# Altium PCB BeagleBone_Black_RevB4.PcbDoc (part 3 of 5) (continued)
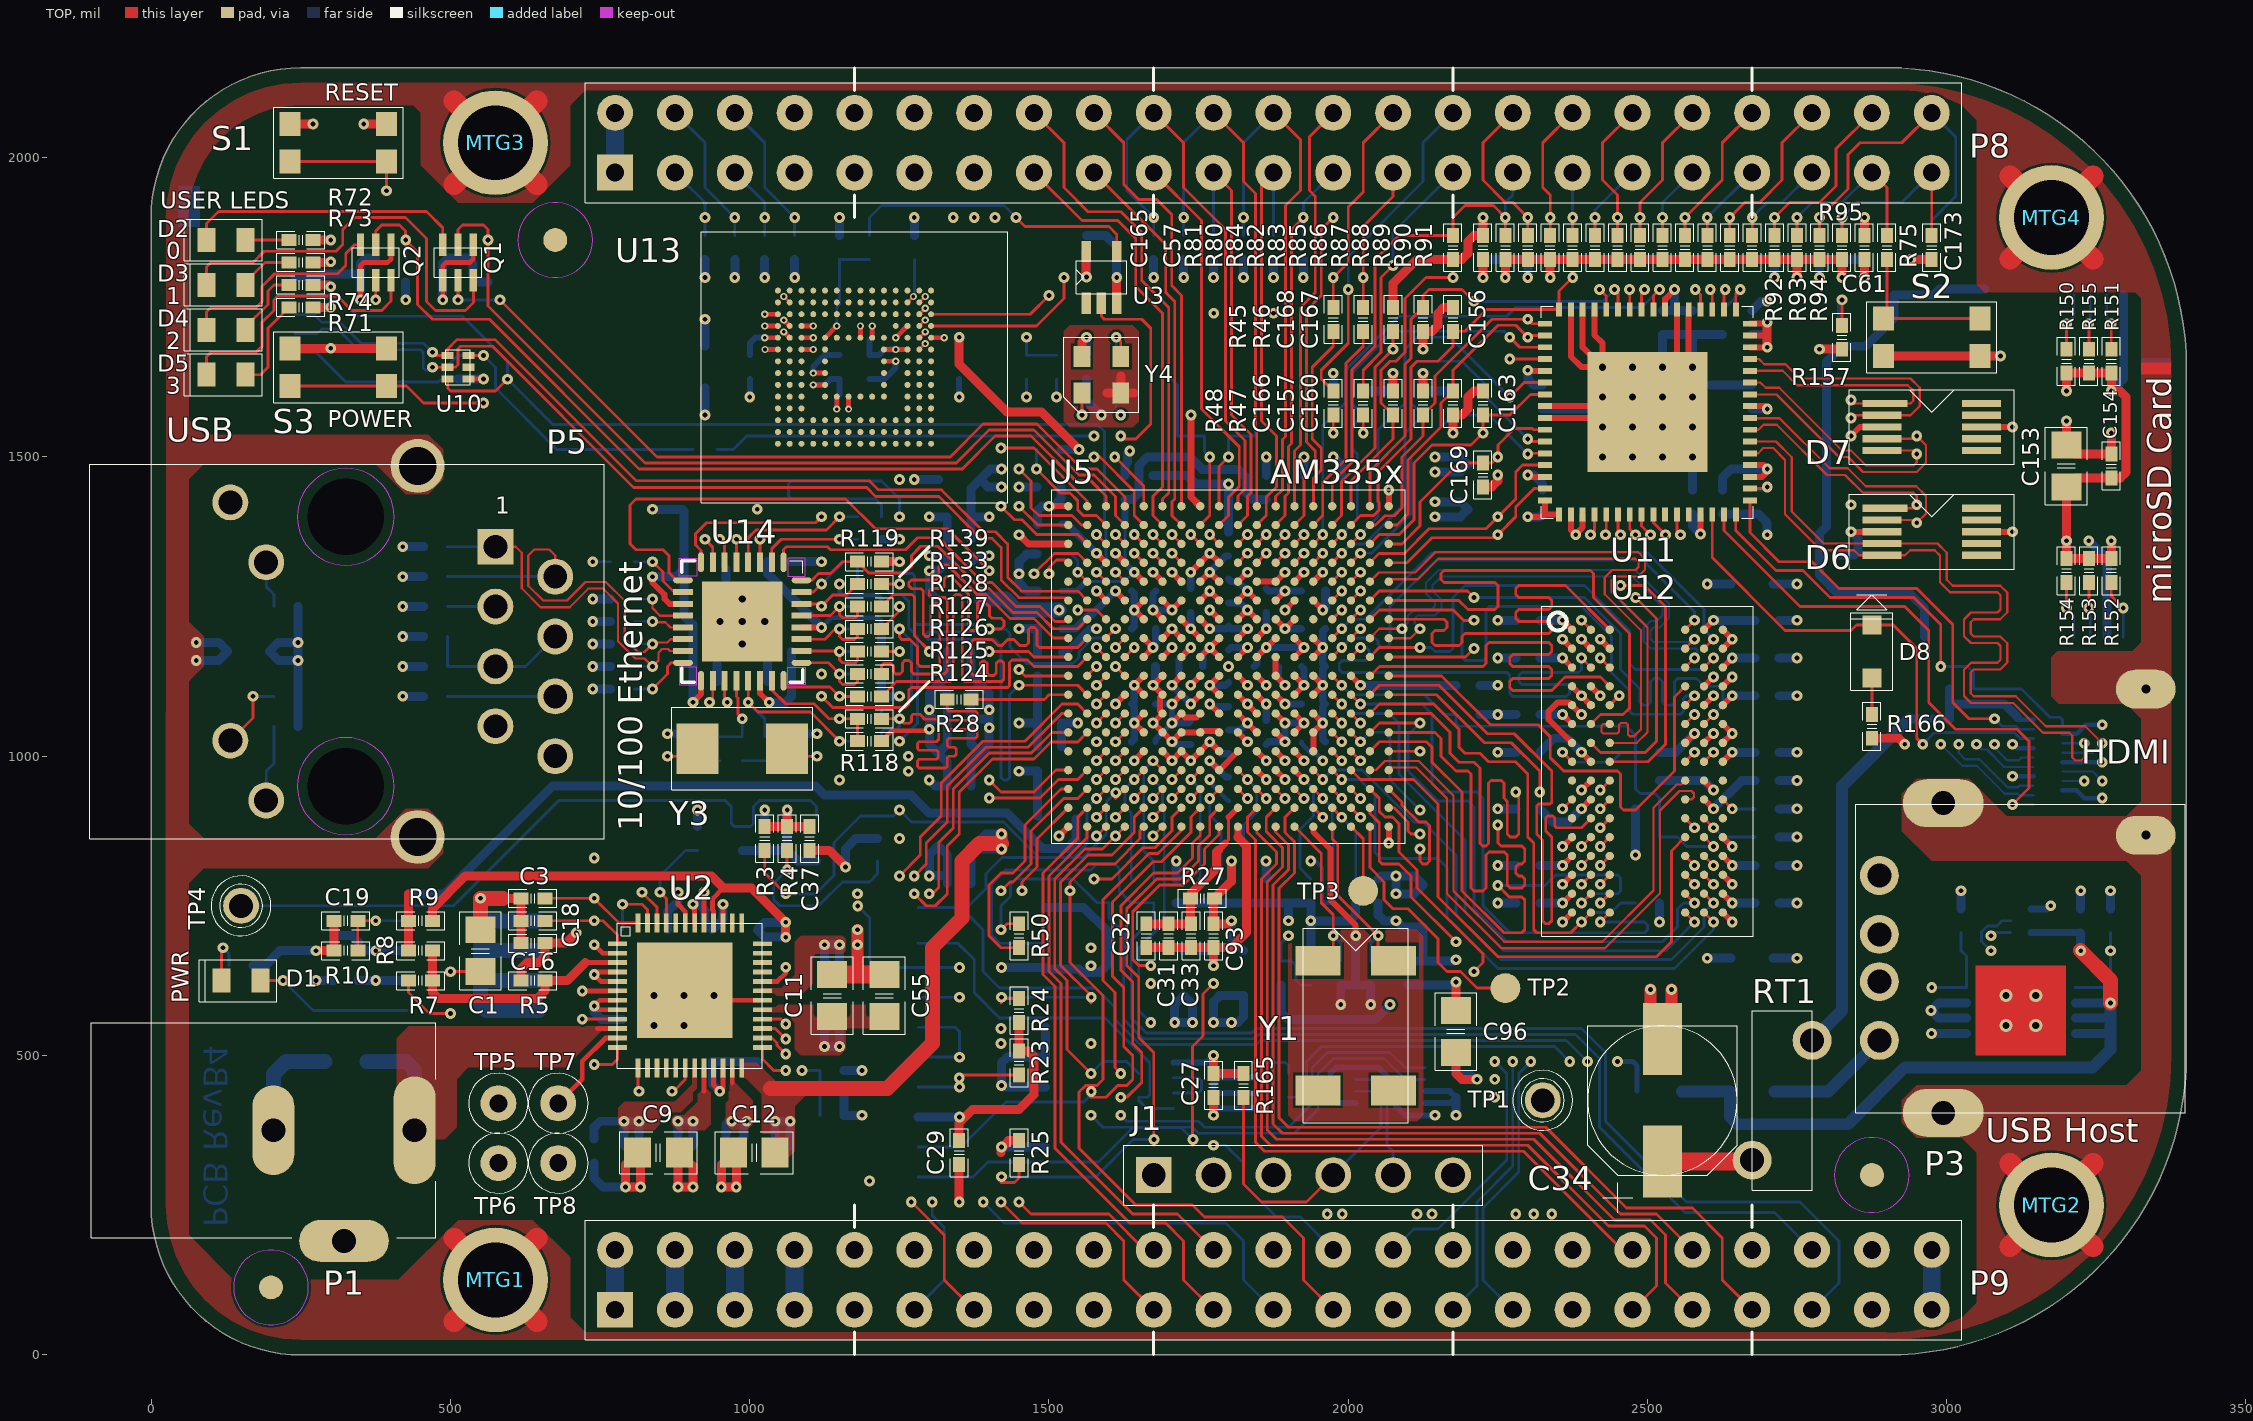
[diagram p0: TOP view]
## Nets (pads, with @x,y where several pads share a name; then routed paths per layer and width w, separated by ;. In a path a pad name is that pad's centre, name@x,y a point inside that pad or via, vN(x,y) a via of type N, cw(c..) or ccw(c..) an arc to the next point about the centre after c; other vN are vias at no path point) (continued)
  TOP w4.75: v1(1737,929.5) U5.C11@1752.76,945.28 ; 1740,350 1740,515 1757.5,532.5 1757.5,602.5 v1(1775,620)
  LYR4 w5.25: v1(1737,929.5) 1775,891.5 1775,775 1755,755 1755,640 v1(1775,620)
  BOTTOM w4.75: P2.1@1281.5,297.1 1373,297.1 1398,322.1 1583,322.1 1640.5,379.6 1720.5,379.6 v1(1740.5,359.6)
JTAG_TRSTN: P2.2 R25.1 U5.B10 | length 1006.3
  TOP w4.75: 1420,287.5 1442.5,287.5 1450,295 R25.1@1450,317.5 ; 1675,350 1675,505 1650,530 1650,630 1630,650 1630,745.05 1679.95,795 1720,795 1750,825 1750,850 1768.52,868.52 1768.52,898.05 U5.B10@1784.25,913.78
  BOTTOM w4.75: v1(1420.5,297.1) P2.2@1494.5,297.1 1578,297.1 1640.5,359.6 v1(1675.5,359.6)
LCD_DATA0: C173.1 P8.45 R70.2 R95.1 U5.R1 U11.15 | length 1614.7
  TOP w4.75: U5.R1@2067.72,1323.23 2098.23,1323.23 2140,1365 2245,1365 v1(2250,1370) 2280,1400 2280,1416.21 2310.84,1447.05 U11.15@2328.74,1447.05 ; R95.1@2825,1870 v1(2825,1900) ; C173.1@2975,1870 P8.45@2975,1975
  LYR3 w5.25: v1(2250,1370) 2280,1400 2280,1410 2295,1425 2600,1425 2805,1630 2805,1855 2825,1875 v1(2825,1900)
  BOTTOM w4.75: R70.2@2825,1870 v1(2825,1900) 2850,1925 2925,1925 P8.45@2975,1975
LCD_DATA1: C171.1 P8.46 R69.2 R94.1 U5.R2 U11.13 | length 1876.9
  TOP w4.75: U5.R2@2036.22,1323.23 2036.22,1323.72 2051.46,1338.96 2093.96,1338.96 2135,1380 2230,1380 v1(2250,1400) 2280,1430 2280,1475 2291.42,1486.42 U11.13@2328.74,1486.42 ; R94.1@2787.5,1870 v1(2787.5,1900) 2835,1947.5 2835,2005 2855,2025 2925,2025 P8.46@2975,2075
  LYR3 w5.25: v1(2250,1400) 2290,1440 2590,1440 2770,1620 2770,1855 2787.5,1872.5 v1(2787.5,1900)
  BOTTOM w4.75: R69.2@2787.5,1870 v1(2787.5,1900) ; C171.1@2975,1870 2975,1895 3015,1935 3015,2035 P8.46@2975,2075
LCD_DATA2: C172.1 P8.43 R68.2 R75.1 R93.1 U5.R3 U11.12 | length 1586.1
  TOP w4.75: U5.R3@2004.72,1323.23 v1(2020.5,1339) ; v1(2300,1505) 2301.1,1506.1 U11.12@2328.74,1506.1 ; R93.1@2750,1870 v1(2750,1900) ; P8.43@2875,1975 2900,1950 R75.1@2900,1870
  LYR3 w5.25: v1(2300,1505) 2320,1525 2600,1525 2730,1655 2730,1855 2750,1875 v1(2750,1900)
  BOTTOM w4.75: v1(2020.5,1339) 2039,1339 2105,1405 2105,1500 C172.1@2175,1570 2235,1570 v1(2300,1505) ; R68.2@2750,1870 v1(2750,1900) 2775,1925 2825,1925 P8.43@2875,1975
LCD_DATA3: C170.1 P8.44 R67.2 R92.1 U5.R4 U11.11 | length 1767.5
  TOP w4.75: U5.R4@1973.23,1323.23 v1(1989,1339) ; v1(2300,1530) 2304.21,1525.79 U11.11@2328.74,1525.79 ; R92.1@2712.5,1870 v1(2712.5,1900) 2737.5,1925 2787.5,1925 2815,1952.5 2815,2015 P8.44@2875,2075
  LYR3 w5.25: v1(2300,1530) 2345,1575 2625,1575 2720,1670 2720,1765 2690,1795 2690,1840 2712.5,1862.5 v1(2712.5,1900)
  BOTTOM w4.75: v1(1989,1339) 2004.75,1354.75 2027.01,1354.75 2095,1422.74 2095,1540 C170.1@2125,1570 2105,1590 2105,1650 2115,1660 2190,1660 2230,1620 2230,1600 v1(2300,1530) ; R67.2@2712.5,1870 v1(2712.5,1900)
LCD_DATA4: C169.1 P8.41 R66.2 R91.1 U5.T1 U11.10 | length 1259.6
  TOP w4.75: U5.T1@2067.72,1354.72 2089.72,1354.72 2120,1385 2120,1425 2185,1490 C169.1@2225,1490 2240,1490 v1(2250,1500) 2250,1520 2277.5,1547.5 2307.97,1547.5 2310,1545.47 U11.10@2328.74,1545.47 ; R91.1@2675,1870 v1(2675,1900)
  LYR3 w5.25: v1(2250,1500) 2250,1510 2410,1670 2600,1670 2680.24,1750.24 2680.24,1875 2675,1880.24 v1(2675,1900)
  BOTTOM w4.75: R66.2@2675,1870 v1(2675,1900) 2700,1925 2725,1925 P8.41@2775,1975
LCD_DATA5: C163.1 P8.42 R65.2 R90.1 U5.T2 U11.7 | length 1466.2
  TOP w4.75: U5.T2@2036.22,1354.72 2051.85,1370.35 2085.35,1370.35 2110,1395 2110,1490 2140,1520 2205,1520 v1(2225,1540) C163.1@2225,1570 2270,1570 2304.53,1604.53 U11.7@2328.74,1604.53 ; R90.1@2637.5,1870 v1(2637.5,1900) 2662.5,1925 2687.5,1925 2725,1962.5 2725,2025 P8.42@2775,2075
  LYR3 w5.25: v1(2225,1540) 2260,1540 2410,1690 2600,1690 2670.99,1760.99 2670.99,1849.01 2637.5,1882.5 v1(2637.5,1900)
  BOTTOM w4.75: R65.2@2637.5,1870 v1(2637.5,1900)
LCD_DATA6: C162.1 P8.39 R64.2 R89.1 U5.T3 U11.6 | length 1343.8
  TOP w4.75: U5.T3@2004.72,1354.72 v1(2020.5,1370.5) ; v1(2270,1600) 2294.21,1624.21 U11.6@2328.74,1624.21 ; R89.1@2600,1870 v1(2600,1900)
  LYR3 w5.25: v1(2270,1600) 2300,1600 2400,1700 2515,1700 2562.5,1747.5 2562.5,1862.5 v1(2600,1900)
  BOTTOM w4.75: v1(2020.5,1370.5) 2050,1400 2050,1545 C162.1@2075,1570 2095,1590 2095,1680 2115,1700 2170,1700 v1(2270,1600) ; R64.2@2600,1870 v1(2600,1900) P8.39@2675,1975
LCD_DATA7: C161.1 P8.40 R63.2 R88.1 U5.T4 U11.3 | length 1670.1
  TOP w4.75: U5.T4@1973.23,1354.72 v1(1989,1370.5) ; v1(2270,1700) 2286.73,1683.27 U11.3@2328.74,1683.27 ; R88.1@2562.5,1870 v1(2562.5,1900) 2625,1962.5 2625,2025 P8.40@2675,2075
  LYR3 w5.25: v1(2270,1700) 2245,1725 2245,1910 2265,1930 2290,1930 2320,1960 2320,1995 2355,2030 2500,2030 2535,1995 2535,1930 2562.5,1902.5 v1(2562.5,1900)
  BOTTOM w4.75: v1(1989,1370.5) 2015,1396.5 2015,1505 2005,1515 2005,1550 C161.1@2025,1570 2005,1590 2005,1640 2075,1710 2260,1710 v1(2270,1700) ; R63.2@2562.5,1870 v1(2562.5,1900)
LCD_DATA8: C160.1 P8.37 R62.2 R87.1 U5.U1 U11.2 | length 1290
  TOP w4.75: U5.U1@2067.72,1386.22 2081.22,1386.22 2100,1405 2100,1495 2155,1550 2155,1590 C160.1@2175,1610 2175,1645 2250,1720 2280,1720 v1(2300,1700) 2302.95,1702.95 U11.2@2328.74,1702.95 ; R87.1@2525,1870 v1(2525,1900)
  LYR3 w5.25: v1(2300,1700) 2280,1720 2280,1905 2330,1955 2330,1990 2360,2020 2495,2020 2525,1990 v1(2525,1900)
  BOTTOM w4.75: R62.2@2525,1870 v1(2525,1900) 2525,1925 P8.37@2575,1975
LCD_DATA9: C157.1 P8.38 R61.2 R86.1 U5.U2 U11.1 | length 1188
  TOP w4.75: U5.U2@2036.22,1386.22 2045.62,1386.22 2061.25,1401.85 2076.85,1401.85 2090,1415 2090,1500 2125,1535 C157.1@2125,1570 2145,1590 2145,1635 2240,1730 v1(2300,1730) 2307.36,1722.64 U11.1@2328.74,1722.64 ; R86.1@2487.5,1870 v1(2487.5,1900) 2487.5,1925 2525,1962.5 2525,2025 P8.38@2575,2075
  LYR3 w5.25: v1(2300,1730) 2320,1750 2320,1910 2345,1935 2455,1935 2487.5,1902.5 v1(2487.5,1900)
  BOTTOM w4.75: R61.2@2487.5,1870 v1(2487.5,1900)
LCD_DATA10: C156.1 P8.36 R60.2 R85.1 U5.U3 U11.64 | length 1180.9
  TOP w4.75: U5.U3@2004.72,1386.22 2020.59,1402.09 2042.69,1402.09 2051.85,1411.25 2051.85,1424.19 2050,1426.04 2050,1475 2105,1530 2105,1650 2115,1660 2150,1660 2175,1685 C156.1@2175,1710 2195,1710 2231.26,1746.26 U11.64@2352.36,1746.26 2352.36,1777.36 v1(2375,1800) ; R85.1@2450,1870 v1(2450,1900) 2450,1937.5 2425,1962.5 2425,2025 P8.36@2475,2075
  LYR3 w5.25: v1(2375,1800) 2375,1865 2355,1885 2355,1910 2370,1925 2401.8,1925 2402.04,1925.24 2424.76,1925.24 v1(2450,1900)
  BOTTOM w4.75: R60.2@2450,1870 v1(2450,1900)
LCD_DATA11: C168.1 P8.34 R59.2 R84.1 U5.U4 U11.60 | length 1275
  TOP w4.75: U5.U4@1973.23,1386.22 1988.96,1401.95 1988.96,1458.96 2045,1515 2045,1650 v1(2075,1680) C168.1@2075,1710 ; R84.1@2337.5,1870 v1(2337.5,1900) 2337.5,1937.5 2325,1950 2325,2025 P8.34@2375,2075 ; v1(2420,1780) 2431.1,1768.9 U11.60@2431.1,1746.26
  LYR3 w5.25: v1(2075,1680) 2095,1700 2240,1700 2260,1680 2355,1680 2420,1745 v1(2420,1780) 2365,1780 2355,1790 2355,1855 2337.5,1872.5 v1(2337.5,1900)
  BOTTOM w4.75: R59.2@2337.5,1870 v1(2337.5,1900)
LCD_DATA12: C167.1 P8.35 R58.2 R83.1 U5.V2 U11.59 | length 1060.3
  TOP w4.75: U5.V2@2036.22,1417.72 2036.22,1476.22 2095,1535 2095,1655 2105,1665 2105,1730 C167.1@2125,1750 2125,1770 2135,1780 2190,1780 v1(2210,1760) ; R83.1@2412.5,1870 v1(2412.5,1900) ; v1(2445,1780) 2450.79,1774.21 U11.59@2450.79,1746.26
  LYR3 w5.25: v1(2412.5,1900) 2412.5,1812.5 v1(2445,1780)
  BOTTOM w4.75: v1(2210,1760) 2425,1760 v1(2445,1780) ; R58.2@2412.5,1870 v1(2412.5,1900) 2412.5,1912.5 P8.35@2475,1975
LCD_DATA13: C166.1 P8.33 R57.2 R82.1 U5.V3 U11.58 | length 1198.2
  TOP w4.75: U5.V3@2004.72,1417.72 2004.72,1459.72 2075,1530 C166.1@2075,1570 2055,1590 2055,1645 2070,1660 2080,1660 2095,1675 2095,1765 2130,1800 v1(2175,1800) ; R82.1@2375,1870 v1(2375,1900) ; v1(2470,1780) 2470.47,1779.53 U11.58@2470.47,1746.26
  LYR3 w5.25: v1(2375,1900) 2390.75,1915.75 2405.64,1915.75 2405.88,1915.99 2419.12,1915.99 2430,1905.11 2430,1820 v1(2470,1780)
  LYR4 w5.25: v1(2175,1800) 2195,1820 2430,1820 v1(2470,1780)
  BOTTOM w4.75: R57.2@2375,1870 v1(2375,1900) P8.33@2375,1975
LCD_DATA14: C165.1 P8.31 R56.2 R81.1 U5.V4 U11.57 | length 1654.2
  TOP w4.75: U5.V4@1973.23,1417.72 1973.23,1458.23 2006.27,1491.27 2006.27,1646.27 2045,1685 2045,1830 2085,1870 C165.1@2175,1870 2175,1900 2195,1920 2242.5,1920 v1(2262.5,1900) R81.1@2262.5,1870 ; U11.57@2490.16,1746.26 2490.16,1773.47 v1(2495,1780)
  LYR4 w5.25: v1(2262.5,1900) 2287.5,1925 2605,1925 2620,1910 2620,1880 2680.24,1819.76 2680.24,1765.24 2655,1740 2535,1740 v1(2495,1780)
  BOTTOM w4.75: R56.2@2262.5,1870 v1(2262.5,1900) 2262.5,1925 2275,1937.5 P8.31@2275,1975
LCD_DATA15: C164.1 P8.32 R55.2 R80.1 U5.T5 U11.56 | length 1841.2
  TOP w4.75: U5.T5@1941.73,1354.72 v1(1957.5,1370.5) ; P8.32@2275,2075 2225,2025 2225,1962.5 2262.5,1925 2275,1925 v1(2300,1900) R80.1@2300,1870 ; U11.56@2509.84,1746.26 2509.84,1769.84 v1(2520,1780)
  LYR4 w5.25: v1(2300,1900) 2320,1880 2595,1880 2670.99,1804.01 2670.99,1770.99 2650,1750 2550,1750 v1(2520,1780)
  BOTTOM w4.75: v1(1957.5,1370.5) 1957.5,1552.5 C164.1@1975,1570 1995,1590 1995,1645 2085,1735 2265,1735 2280,1750 2490,1750 v1(2520,1780) ; R55.2@2300,1870 v1(2300,1900)
LCD_DE: P8.30 R48.2 U11.20 | length 1244.5
  TOP w4.75: R48.2@1975,1610 1955,1630 1955,1645 2000,1690 v1(2000,1780) ; v1(2405,1370) 2411.42,1376.42 U11.20@2411.42,1403.74
  LYR4 w5.25: v1(2000,1780) 2015,1765 2105,1765 2245,1625 2267.61,1625 2285.99,1606.62 2330,1562.62 2330,1445 v1(2405,1370)
  BOTTOM w4.75: v1(2000,1780) 2000,1835 2125,1960 2125,2025 P8.30@2175,2075
LCD_HSYNC: P8.29 R47.2 U11.22 | length 1116.9
  TOP w4.75: R47.2@2025,1610 2025,1645 2055,1675 2055,1800 v1(2075,1820) ; U11.22@2450.79,1403.74 2450.79,1374.21 v1(2455,1370)
  LYR4 w5.25: v1(2075,1820) 2110,1820 2247.5,1682.5 2292.5,1682.5 2370,1605 2370,1455 v1(2455,1370)
  BOTTOM w4.75: v1(2075,1820) 2075,1875 P8.29@2175,1975
LCD_PCLK: P8.28 R45.2 U11.4 | length 793.2
  TOP w4.75: R45.2@1975,1750 v1(1975,1800) 2000,1825 2000,1917.5 2025,1942.5 2025,2025 P8.28@2075,2075 ; v1(2270,1663.58) U11.4@2328.74,1663.58
  LYR4 w5.25: v1(1975,1800) 1995,1820 2040,1820 2065,1795 2115,1795 2246.42,1663.58 v1(2270,1663.58)
LCD_VSYNC: P8.27 R46.2 U11.21 | length 930.4
  TOP w4.75: R46.2@2025,1750 v1(2025,1800) 2025,1885 2075,1935 P8.27@2075,1975 ; v1(2430,1370) 2431.1,1371.1 U11.21@2431.1,1403.74
  LYR4 w5.25: v1(2025,1800) 2045,1780 2110,1780 2250,1640 2275,1640 2350,1565 2350,1450 v1(2430,1370)
LCDDE: R48.1 U5.R6 | length 273.6
  TOP w4.75: U5.R6@1910.24,1323.23 v1(1926,1339) ; v1(1975,1540) R48.1@1975,1570
  LYR3 w4.75: v1(1926,1339) 1941.74,1354.74 1941.74,1385
  LYR3 w5.25: 1941.74,1385 1950,1393.26 1950,1515 v1(1975,1540)
LCDPCLK: R45.1 U5.V5 | length 318.5
  TOP w4.75: U5.V5@1941.73,1417.72 1941.73,1465 1955,1478.27 1955,1515 1940,1530 1940,1650 1975,1685 R45.1@1975,1710
LCDVHYNC: R47.1 U5.R5 | length 281.3
  TOP w4.75: U5.R5@1941.73,1323.23 v1(1957.5,1339) ; v1(2025,1540) R47.1@2025,1570
  LYR3 w4.75: v1(1957.5,1339) 1973.26,1354.76 1973.26,1383.26
  LYR3 w5.25: 1973.26,1383.26 2025,1435 v1(2025,1540)
LCDVSYNC: R46.1 U5.U5 | length 358.3
  TOP w4.75: U5.U5@1941.73,1386.22 1957.5,1401.99 1957.5,1457.5 1996.52,1496.52 1996.52,1656.52 2025,1685 R46.1@2025,1710
LDO_PGOOD: U2.46 U5.B5 | length 1413.5
  TOP w4.75: v1(820,772.5) 844.88,747.62 U2.46@844.88,721.06 ; U5.B5@1941.73,913.78 v1(1957.5,898)
  LYR3 w5.25: v1(820,772.5) 892.5,845 1320,845 1374.01,790.99 1479.01,790.99 1530,740 1700,740 1725,765 1915,765 1957.5,807.5 v1(1957.5,898)
LEDAA: D2.2 R72.2 | length 72.5
  TOP w4.75: D2.2@157.5,1862.5 R72.2@230,1862.5
LEDAC: D2.1 Q1.6 | length 469.9
  TOP w4.75: D2.1@92.5,1862.5 92.5,1890 112.5,1910 460,1910 486.91,1883.09 Q1.6@486.91,1854.53
LEDBA: D3.2 R73.2 | length 91
  TOP w4.75: D3.2@157.5,1787.5 157.5,1792.5 190,1825 R73.2@230,1825
LEDBC: D3.1 Q1.3 | length 692.9
  TOP w4.75: D3.1@92.5,1787.5 92.5,1817.5 100,1825 170,1825 188.73,1843.73 308.73,1843.73 320,1855 320,1880 340,1900 425,1900 460,1865 460,1760 475,1745 525,1745 538.09,1758.09 Q1.3@538.09,1795.47
LEDCA: D4.2 R74.2 | length 119.7
  TOP w4.75: D4.2@157.5,1712.5 157.5,1717.5 195,1755 195,1777.5 205,1787.5 R74.2@230,1787.5
LEDCC: D4.1 Q2.6 | length 359.7
  TOP w4.75: D4.1@92.5,1712.5 92.5,1742.5 100,1750 175,1750 185,1760 185,1785 206.23,1806.23 311.23,1806.23 325,1820 325,1840 339.53,1854.53 Q2.6@349.41,1854.53
LEDDA: D5.2 R71.2 | length 157.2
  TOP w4.75: D5.2@157.5,1637.5 182.5,1637.5 195,1650 195,1715 R71.2@230,1750
LEDDC: D5.1 Q2.3 | length 464.9
  TOP w4.75: D5.1@92.5,1637.5 92.5,1667.5 100,1675 175,1675 185,1685 185,1725 205,1745 205,1762.5 211.23,1768.73 311.27,1768.73 335,1745 385,1745 400.59,1760.59 Q2.3@400.59,1795.47
MDIO_CLK: U5.M18 U14.17 | length 569
  TOP w4.75: U14.17@1056.45,1324 1056.45,1345.33 1061.12,1350 1130,1350 1135,1345 1260,1345 1280,1365 1315,1365 1390,1290 1405,1290 1445,1250 1485,1250 1510,1225 1528.54,1225 U5.M18@1532.28,1228.74
MDIO_DATA: R119.2 U5.M17 U14.16 | length 590.2
  TOP w4.75: U14.16@1086.5,1293.95 1103.95,1293.95 1115,1305 1135,1305 1155,1325 R119.2@1180,1325 1198.77,1306.23 1258.77,1306.23 1270,1317.46 1270,1335 1285.74,1350.74 1314.26,1350.74 1385,1280 1400,1280 1440,1240 1480,1240 1506.99,1213.01 1548.05,1213.01 U5.M17@1563.78,1228.74
MII1_COL: R138.1 U5.H16 | length 953.9
  TOP w4.75: v1(1579.5,1087.01) U5.H16@1595.28,1102.76
  LYR3 w5.25: v1(1250,1025) 1225,1025 1220,1020 1220,995 1215,990 1175,990 1170,995 1170,1040 1175,1045 1275,1045 1280,1050 1280,1095 1285,1100 1566.51,1100 v1(1579.5,1087.01)
  BOTTOM w4.75: R138.1@1220,1287.5 1237.5,1270 1253.71,1270 1265.74,1257.97 1265.74,1214.26 1280,1200 1280,1055 v1(1250,1025)
MII1_CRS_DV: R139.1 U5.H17 | length 1007.7
  TOP w4.75: R139.1@1220,1287.5 v1(1250,1287.5) ; v1(1450,1118.52) 1548.02,1118.52 U5.H17@1563.78,1102.76
  BOTTOM w4.75: v1(1250,1287.5) 1250,1301 1254,1305 1271.49,1305 1275.49,1301 1275.49,1224 1279.49,1220 1376,1220 1380,1216 1380,1211.5 1376,1207.5 1297.75,1207.5 1293.75,1203.5 1293.75,1199 1297.75,1195 1410,1195 1420,1185 1420,964 1424,960 1430.26,960 1434.26,964 1434.26,1102.78 v1(1450,1118.52)
MII1_REFCLK: R28.2 R124.1 R140.1 | length 719.8
  TOP w4.75: R124.1@1220,1062.5 v1(1250,1062.5) 1257.5,1055 1267,1055 1270,1058 1270,1067 1273,1070 1284.24,1070 1292.48,1061.76 1311.74,1061.76 1315.74,1057.76 1315.74,1028.26 1311.74,1024.26 1283,1024.26 1280,1021.26 1280,1013 1283,1010 1312,1010 1315,1007 1315,998 1312,995 1283,995 1280,992 1280,983 1283,980 1327,980 1330,983 1330,997 1333,1000 1342,1000 1345,1003 1345,1012 1342,1015 1333,1015 1330,1018 1330,1027 1333,1030 1377,1030 1380,1033 1380,1042 1377,1045 1333,1045 1330,1048 1330,1057 1333,1060 1377,1060 1380,1063 1380,1072 1377,1075 1333,1075 1330,1078 R28.2@1330,1095
  BOTTOM w4.75: R140.1@1220,1025 1220,1040 1225,1045 1245,1045 1250,1050 v1(1250,1062.5)
MII1_RXCLK: R131.1 U5.L18 | length 937.6
  TOP w4.75: v1(1250,1212.5) 1250,1199 1254,1195 1267.5,1195 1280,1182.5 1280,1155 1285,1150 1312.5,1150 1317.5,1155 1317.5,1251 1313.5,1255 1306.5,1255 1302.5,1251 1302.5,1204 1298.5,1200 1294,1200 1290,1204 1290,1275.75 1286,1279.75 1270.74,1279.75 1265.74,1284.75 1265.74,1290 1270,1294.26 1310.74,1294.26 1315.74,1299.26 1315.74,1315.74 1320,1320 1330,1320 1380,1270 1395,1270 1435,1230 1475,1230 1507.76,1197.24 U5.L18@1532.28,1197.24
  BOTTOM w4.75: R131.1@1220,1062.5 1220,1075 1225,1080 1255,1080 1270,1095 1270,1192.5 v1(1250,1212.5)
MII1_RXD0: R128.1 U5.M16 | length 955.6
  TOP w4.75: R128.1@1220,1212.5 1250,1242.5 v1(1250,1250) ; v1(1548,1244.5) 1579.5,1244.5 U5.M16@1595.28,1228.74
  LYR3 w5.25: v1(1250,1250) 1219,1250 1215,1254 1215,1416 1219,1420 1271,1420 1275,1416 1275,1384 1271,1380 1235,1380 1230,1375 1230,1350 1235,1345 1271,1345 1275,1341 1275,1309 1271,1305 1235,1305 1230,1300 1230,1276.51 1235,1271.51 1273.98,1271.51 1285,1260.49 1532.01,1260.49 v1(1548,1244.5)
MII1_RXD1: R127.1 U5.L15 | length 950.4
  TOP w4.75: R127.1@1220,1175 v1(1250,1175) ; v1(1611,1181.5) U5.L15@1626.74,1197.24
  LYR3 w4.75: 1565,1165.75 1595.25,1165.75 v1(1611,1181.5)
  LYR3 w5.25: v1(1250,1175) 1240,1185 1190,1185 1185,1190 1185,1255 1180,1260 1170.99,1260 1165.99,1255 1165.99,1174.01 1185,1155 1255,1155 1270,1170 1270,1190 1295,1215 1295,1226 1299,1230 1306,1230 1310,1226 1310,1209 1314,1205 1321,1205 1325,1209 1325,1226 1329,1230 1336,1230 1340,1226 1340,1209 1344,1205 1351,1205 1355,1209 1355,1226 1359,1230 1366,1230 1370,1226 1370,1209 1374,1205 1381,1205 1384.01,1208.01 1384.01,1226 1388.01,1230 1464.25,1230 1528.5,1165.75 1565,1165.75
MII1_RXD2: R126.1 U5.L16 | length 950.2
  TOP w4.75: R126.1@1220,1137.5 1220,1151 1224,1155 1236,1155 1240,1151 1240,1141.5 1244,1137.5 1251,1137.5 1255,1141.5 1255,1156 1259,1160 1266,1160 1270,1156 1270,1141.5 1274,1137.5 1325,1137.5 1330,1142.5 1330,1261 1326,1265 1304,1265 1300,1269 1300,1276 1304,1280 1321,1280 1325,1284 1325,1296 1329,1300 1336.21,1300 1365.6,1270.61 1365.6,1214.43 1370.03,1210 1376.28,1210 1380.71,1214.43 1380.71,1256.25 1384.71,1260.25 1390,1260.25 1400.6,1249.65 1400.6,1234.61 1404.6,1230.61 1420,1230.61 1425,1225.61 1425,1217.5 1420,1212.5 v1(1400,1212.5) ; U5.L16@1595.28,1197.28 v1(1611,1213)
  BOTTOM w4.75: v1(1400,1212.5) 1427.5,1212.5 1435,1205 1435,1182.26 1462.26,1155 1540,1155 1550,1165 1550,1174.26 1572.98,1197.24 1595.24,1197.24 v1(1611,1213)
MII1_RXD3: R125.1 U5.L17 | length 960.9
  TOP w4.75: R125.1@1220,1100 1245,1125 1335,1125 1340,1130 1340,1266 1344,1270 1351,1270 1355,1266 1355,1129 1359,1125 1421,1125 1424.51,1128.51 1424.51,1155.75 1421,1159.26 1415.74,1159.26 1411.74,1155.26 1411.74,1139 1407.74,1135 1400.26,1135 1396.26,1139 1396.26,1155.26 1392.26,1159.26 1389,1159.26 1385,1155.26 1385,1139 1381,1135 1374,1135 1370,1139 1370,1191 1374,1195 1405,1195 1415,1185 1421,1185 1431,1195 1441,1195 1451,1185 1461.74,1185 1465.74,1189 1465.74,1211.74 1469,1215 1476,1215 1480,1211 1480,1185.5 1484,1181.5 1548.04,1181.5 U5.L17@1563.78,1197.24
MII1_RXDV: R129.1 U5.J17 | length 1017
  TOP w4.75: U5.J17@1563.78,1134.25 v1(1579.5,1150.01)
  LYR3 w5.25: v1(737.5,1325) 780,1325 824.51,1280.49 849.51,1280.49 975,1155 1165,1155 1175,1145 1260,1145 1284.01,1169.01 1284.01,1184.01 1295,1195 1480,1195 1524.99,1150.01 v1(1579.5,1150.01)
  BOTTOM w4.75: v1(737.5,1325) R129.1@767.5,1325
MII1_RXERR: R133.1 U5.J15 | length 955
  TOP w4.75: R133.1@1220,1250 1240,1270 1271.25,1270 1275.25,1266 1275.25,1201.04 1300,1176.29 v1(1300,1175) ; v1(1611,1150) U5.J15@1626.75,1134.25
  LYR3 w4.75: 1569.27,1134.27 1595.27,1134.27 v1(1611,1150)
  LYR3 w5.25: v1(1300,1175) 1300,1125 1305,1120 1321,1120 1325,1124 1325,1181 1329,1185 1336,1185 1340,1181 1340,1124 1344,1120 1356,1120 1360,1124 1360,1181 1364,1185 1371,1185 1375,1181 1375,1124 1379,1120 1386,1120 1390,1124 1390,1151 1394,1155 1401,1155 1405,1151 1405,1124 1409,1120 1415,1120 1420,1125 1420,1176 1424,1180 1475.25,1180 1479.25,1176 1479.25,1140 1484.98,1134.27 1569.27,1134.27
MII1_TXCLK: R134.1 U5.K18 | length 891
  TOP w4.75: v1(1400,1175) 1465.75,1175 1475,1165.75 U5.K18@1532.28,1165.75
  LYR5_PWR w4.75: v1(1250,1400) 1280,1370 1315,1370 1420,1265 1420,1195 v1(1400,1175)
  BOTTOM w4.75: R134.1@1220,1400 1220,1420 1210,1430 1070,1430 1065,1435 1065,1455 1070,1460 1220,1460 1250,1430 v1(1250,1400)
MII1_TXD0: U5.K17 U14.22 | length 1106.5
  TOP w4.75: v1(950,1362.5) 957.95,1354.55 U14.22@957.95,1324 ; v1(1120,1100) 1138.77,1081.23 1260,1081.23 1265.74,1086.97 1265.74,1110.74 1270,1115 1431,1115 1434.26,1118.26 1434.26,1156.74 1438.26,1160.74 1464.28,1160.74 1475,1150.02 1548.05,1150.02 U5.K17@1563.78,1165.75
  LYR4 w5.25: v1(950,1362.5) 932.5,1380 890,1380 880,1370 880,1200 960,1120 1100,1120 v1(1120,1100)
MII1_TXD1: U5.K16 U14.23 | length 1107.6
  TOP w4.75: v1(925,1362.5) 938.25,1349.25 U14.23@938.25,1324 ; v1(1579.5,1181.5) U5.K16@1595.28,1165.75
  LYR3 w5.25: v1(925,1362.5) 925,1345 930,1340 1015,1340 1020,1335 1020,1325 1015,1320 929.84,1320 925,1315.16 925,1308.33 929.84,1303.49 1190,1303.49 1195,1298.49 1195,1201.51 1200,1196.51 1256.62,1196.51 1265.99,1205.88 1265.99,1220.99 1285,1240 1470,1240 1528.5,1181.5 v1(1579.5,1181.5)
MII1_TXD2: U5.K15 U14.24 | length 1105.7
  TOP w4.75: U14.24@918.55,1324 918.55,1343.95 909.26,1353.24 909.26,1371.76 927.5,1390 1110,1390 v1(1120,1400) ; U5.K15@1626.74,1165.75 v1(1642.5,1181.51)
  LYR3 w4.75: 1570,1197.24 1626.72,1197.24 v1(1642.5,1181.51)
  LYR3 w5.25: v1(1120,1400) 1120,1440 1125,1445 1200,1445 1205,1440 1205,1235.15 1209,1231.15 1261.15,1231.15 1280,1250 1480,1250 1532.76,1197.24 1570,1197.24
MII1_TXD3: U5.J18 U14.25 | length 1122.4
  TOP w4.75: U14.25@888.5,1293.95 877.5,1293.95 865,1306.45 865,1335 855,1345 810,1345 800,1355 800,1420 810,1430 1160,1430 1210,1380 1330,1380 v1(1400,1310) ; v1(1450,1145) 1450,1144 1459.75,1134.25 U5.J18@1532.28,1134.25
  LYR5_PWR w4.75: v1(1400,1310) 1430,1280 1430,1165 v1(1450,1145)
MII1_TXEN: U5.J16 U14.21 | length 1102.2
  TOP w4.75: U14.21@977.65,1324 v1(977.65,1362.5) ; v1(1579.5,1118.5) U5.J16@1595.28,1134.25
  LYR3 w5.25: v1(1120,1137.5) 1059,1137.5 1055,1133.5 1055,1084 1059,1080 1265,1080 1270,1085 1270,1105 1275,1110 1425,1110 1430,1115 1430,1160 1435,1165 1466,1165 1470,1161 1470,1122.5 1474,1118.5 v1(1579.5,1118.5)
  LYR4 w5.25: v1(977.65,1362.5) 1060,1280.15 1060,1197.5 v1(1120,1137.5)
MMC0_CD: P2.19 P10.10 R157.1 U5.C15 | length 3353
  TOP w4.75: 1611,929.5 U5.C15@1626.77,945.28 ; R157.1@2825,1720 v1(2825,1762.5)
  LYR3 w5.25: v1(2825,1762.5) 2825,1620 2815,1610 2815,1445 v1(2840,1420)
  LYR4 w5.25: v1(2400,490) 2460,550 2665,550 2820,705 2820,1400 v1(2840,1420)
  BOTTOM w4.75: P2.19@1281.5,747.1 1363,747.1 1395.01,779.11 1395.01,804.11 1421.51,830.61 1556.77,830.61 1595.74,869.58 1595.74,923.34 v1(1611.5,939.1) ; 1362.5,737.5 1390,710 1390,640 1417.5,612.5 1577.5,612.5 1610,580 1610,560 1652,518 1846.79,518 1853.79,525 2365,525 v1(2400,490) ; P10.10@2819.13,1720.24 2819.13,1756.63 v1(2825,1762.5)
MMC0_CLKO: P10.5 R152.2 U5.G17 | length 3250.5
  TOP w4.75: v1(1250,800) 1285,835 1285,865 1320,900 1320,955 1390,1025 1460,1025 1521.99,1086.99 1548.05,1086.99 U5.G17@1563.78,1071.26 ; R152.2@3275,1290 3275,1267.59 v1(3295.09,1247.5)
  LYR3 w5.25: v1(1250,800) 1249.76,799.76 1249.76,750.24 1330,670 1530,670 1560,700 1600,700 1610,690 1835,690 1905,620 2085,620 2120.24,584.76 2607.26,584.76 2725,702.5 2725,1007.5 2990,1272.5 3270.09,1272.5 v1(3295.09,1247.5)
  BOTTOM w4.75: P10.5@3295.09,1199.28 v1(3295.09,1247.5)
MMC0_CMD: P10.3 R151.2 U5.G18 | length 3471.7
  TOP w4.75: v1(1275,800) 1295,820 1295,855 1330,890 1330,950 1395,1015 1465,1015 1521.26,1071.26 U5.G18@1532.28,1071.26 ; R151.2@3275,1680 v1(3275,1722.5)
  LYR3 w5.25: v1(1275,800) 1259.01,784.01 1259.01,760.99 1340,680 1520,680 1550,710 1770,710 1780,700 1845,700 1915,630 2100,630 2135.99,594.01 2596.51,594.01 2712.5,710 2712.5,1012.5 2985,1285 3097.5,1285 3250,1437.5 3250,1697.5 v1(3275,1722.5)
  BOTTOM w4.75: P10.3@3267.53,1770.72 3267.53,1729.97 v1(3275,1722.5)
MMC0_DAT0: P10.7 R153.2 U5.G16 | length 2768.2
  TOP w4.75: v1(1579.5,1055.5) U5.G16@1595.28,1071.26 ; v1(3237.5,1247.5) R153.2@3237.5,1290
  LYR3 w5.25: v1(1570,650) 1590,670 1815,670 1920,565 2627.5,565 2795,732.5 2795,1040 2967.5,1212.5 3202.5,1212.5 v1(3237.5,1247.5)
  LYR4 w5.25: v1(1570,650) 1510,710 1510,726.91 1509.76,727.15 1509.76,840 1500,849.76 1500,983.88 1571.62,1055.5 v1(1579.5,1055.5)
  BOTTOM w4.75: v1(3237.5,1247.5) 3239.97,1245.03 P10.7@3239.97,1199.28
MMC0_DAT1: P10.8 R154.2 U5.G15 | length 2698.1
  TOP w4.75: v1(1611,1055.5) U5.G15@1626.77,1071.26 ; v1(3200,1247.5) R154.2@3200,1290
  LYR3 w5.25: v1(1570,680) 1825,680 1895,610 2070,610 2105,575 2617.5,575 2775,732.5 2775,1040 2972.5,1237.5 3190,1237.5 v1(3200,1247.5)
  LYR4 w4.75: 1564.43,1031.19 1573,1039.76 1595.26,1039.76 v1(1611,1055.5)
  LYR4 w5.25: 1564.43,1031.19 1532.76,999.52 1532.76,835 1519.01,821.25 1519.01,730.99 v1(1570,680)
  BOTTOM w4.75: v1(3200,1247.5) 3212.41,1235.09 P10.8@3212.41,1199.28
MMC0_DAT2: P10.1 R150.2 U5.F18 | length 3356.8
  TOP w4.75: v1(1300,770) 1305,770 1315.74,780.74 1315.74,855.74 1340,880 1340,945 1400.24,1005.24 1470.24,1005.24 1504.76,1039.76 U5.F18@1532.28,1039.76 ; R150.2@3200,1680 v1(3200,1722.5)
  LYR3 w5.25: v1(1300,770) 1340,730 1710,730 1735,755 2025,755 2140,640 2187.39,640 2212.39,615 2460,615 2485,640 2602.5,640 2687.5,725 2687.5,1072.5 2735,1120 2780,1120 2970,1310 3072.5,1310 3225,1462.5 3225,1697.5 v1(3200,1722.5)
  BOTTOM w4.75: v1(3200,1722.5) 3212.41,1734.91 P10.1@3212.41,1770.72
MMC0_DAT3: P10.2 R155.2 U5.F17 | length 3472.8
  TOP w4.75: v1(1275,770) 1295,750 1310,750 1330,770 1330,850 1350,870 1350,940 1405.49,995.49 1475,995.49 1503.41,1023.9 1547.92,1023.9 U5.F17@1563.78,1039.76 ; R155.2@3237.5,1680 v1(3237.5,1722.5)
  LYR3 w5.25: v1(1275,770) 1355,690 1510,690 1540,720 1720,720 1745,745 1820,745 1925,640 2115,640 2150,605 2470,605 2495,630 2612.5,630 2700,717.5 2700,1020 2977.5,1297.5 3085,1297.5 3237.5,1450 v1(3237.5,1722.5)
  BOTTOM w4.75: v1(3237.5,1722.5) 3239.97,1724.97 P10.2@3239.97,1770.72
MMC1_CLK: P8.21 R110.2 U5.U9 U13.M6 | length 1643
  TOP w4.75: P8.21@1775,1975 1805,1945 1805,1570 1837.49,1537.51 1837.49,1440.23 1831.48,1434.22 1831.48,1401.95 U5.U9@1815.75,1386.22
  TOP w8: U13.M6@1086.42,1679.53 v3(1106.1,1679.53)
  LYR4 w5.25: v3(1106.1,1679.53) 1153.13,1632.5 1327.5,1632.5 1385,1690 1385,1745 1520,1880 1735,1880 1775,1920 P8.21@1775,1975
  BOTTOM w4.75: R110.2@1775,1870 P8.21@1775,1975
MMC1_CMD: P8.20 R109.2 U5.V9 U13.M5 | length 1715.1
  TOP w4.75: P8.20@1675,2075 1725,2025 1725,1950 1795,1880 1795,1560 1827.74,1527.26 1827.74,1446.69 1815.75,1434.7 U5.V9@1815.75,1417.72
  TOP w8: U13.M5@1086.42,1699.21 v3(1106.1,1699.21)
  LYR4 w5.25: v3(1106.1,1699.21) 1158.46,1646.85 1321.85,1646.85 1370,1695 1370,1750 1520,1900 v1(1675,1900)
  BOTTOM w4.75: R109.2@1675,1870 v1(1675,1900) 1630,1945 1630,2030 P8.20@1675,2075
MMC1_DAT0: P8.25 R101.2 U5.U7 U13.A3 | length 1347.6
  TOP w4.75: U13.A3@1302.95,1738.58 1468.58,1738.58 v1(1500,1770) ; U5.U7@1878.74,1386.22 1894.47,1401.95 1894.47,1434.47 1900,1440 1900,1517.5 1905,1522.5 1905,1880 v1(1925,1900)
  LYR4 w5.25: v1(1500,1770) 1555,1770 1625,1840 1865,1840 v1(1925,1900)
  BOTTOM w4.75: R101.2@1925,1870 v1(1925,1900) 1925,1925 P8.25@1975,1975
MMC1_DAT1: P8.24 R102.2 U5.V7 U13.A4 | length 1536.3
  TOP w4.75: U13.A4@1302.95,1718.9 1478.9,1718.9 1525,1765 v1(1525,1800) ; P8.24@1875,2075 1920,2030 1920,1945 1895,1920 1895,1534.26 1890,1529.26 1890,1445 1878.74,1433.74 U5.V7@1878.74,1417.72
  LYR4 w5.25: v1(1525,1800) 1585,1860 1785,1860 v1(1825,1900)
  BOTTOM w4.75: R102.2@1825,1870 v1(1825,1900) 1825,2025 P8.24@1875,2075
MMC1_DAT2: P8.5 R103.2 U5.R8 U13.A5 | length 1373.2
  TOP w4.75: U5.R8@1847.24,1323.23 v1(1862.99,1338.98)
  TOP w8: U13.A5@1302.95,1699.21 v3(1325,1699.21)
  LYR3 w4.75: 1847.24,1380 1847.24,1354.73 v1(1862.99,1338.98)
  LYR3 w5.25: v3(1325,1699.21) 1345.79,1720 1620,1720 1820,1520 1820,1410 1847.24,1382.76 1847.24,1380
  LYR4 w5.25: v1(1025,1900) 1025,1885 1090,1820 1145,1820 1270,1695 1270,1685 1280,1675 1300.79,1675 v3(1325,1699.21)
  BOTTOM w4.75: P8.5@975,1975 1025,1925 v1(1025,1900) R103.2@1025,1870
MMC1_DAT3: P8.6 R104.2 U5.T8 U13.B2 | length 1364.1
  TOP w4.75: U13.B2@1283.27,1758.27 v3(1293.11,1768.11) ; U5.T8@1847.24,1354.72 v1(1862.99,1370.47)
  LYR3 w5.25: v3(1293.11,1768.11) 1326.22,1735 1625,1735 1830.25,1529.75 1830.25,1419.75 1862.99,1387.01 v1(1862.99,1370.47)
  LYR4 w5.25: v1(1075,1900) 1110,1865 1196.22,1865 v3(1293.11,1768.11)
  BOTTOM w4.75: P8.6@975,2075 1025,2025 1025,1950 v1(1075,1900) R104.2@1075,1870